# Altium PCB AccessControl_V1.0.1.PcbDoc (part 1 of 3) (continued)
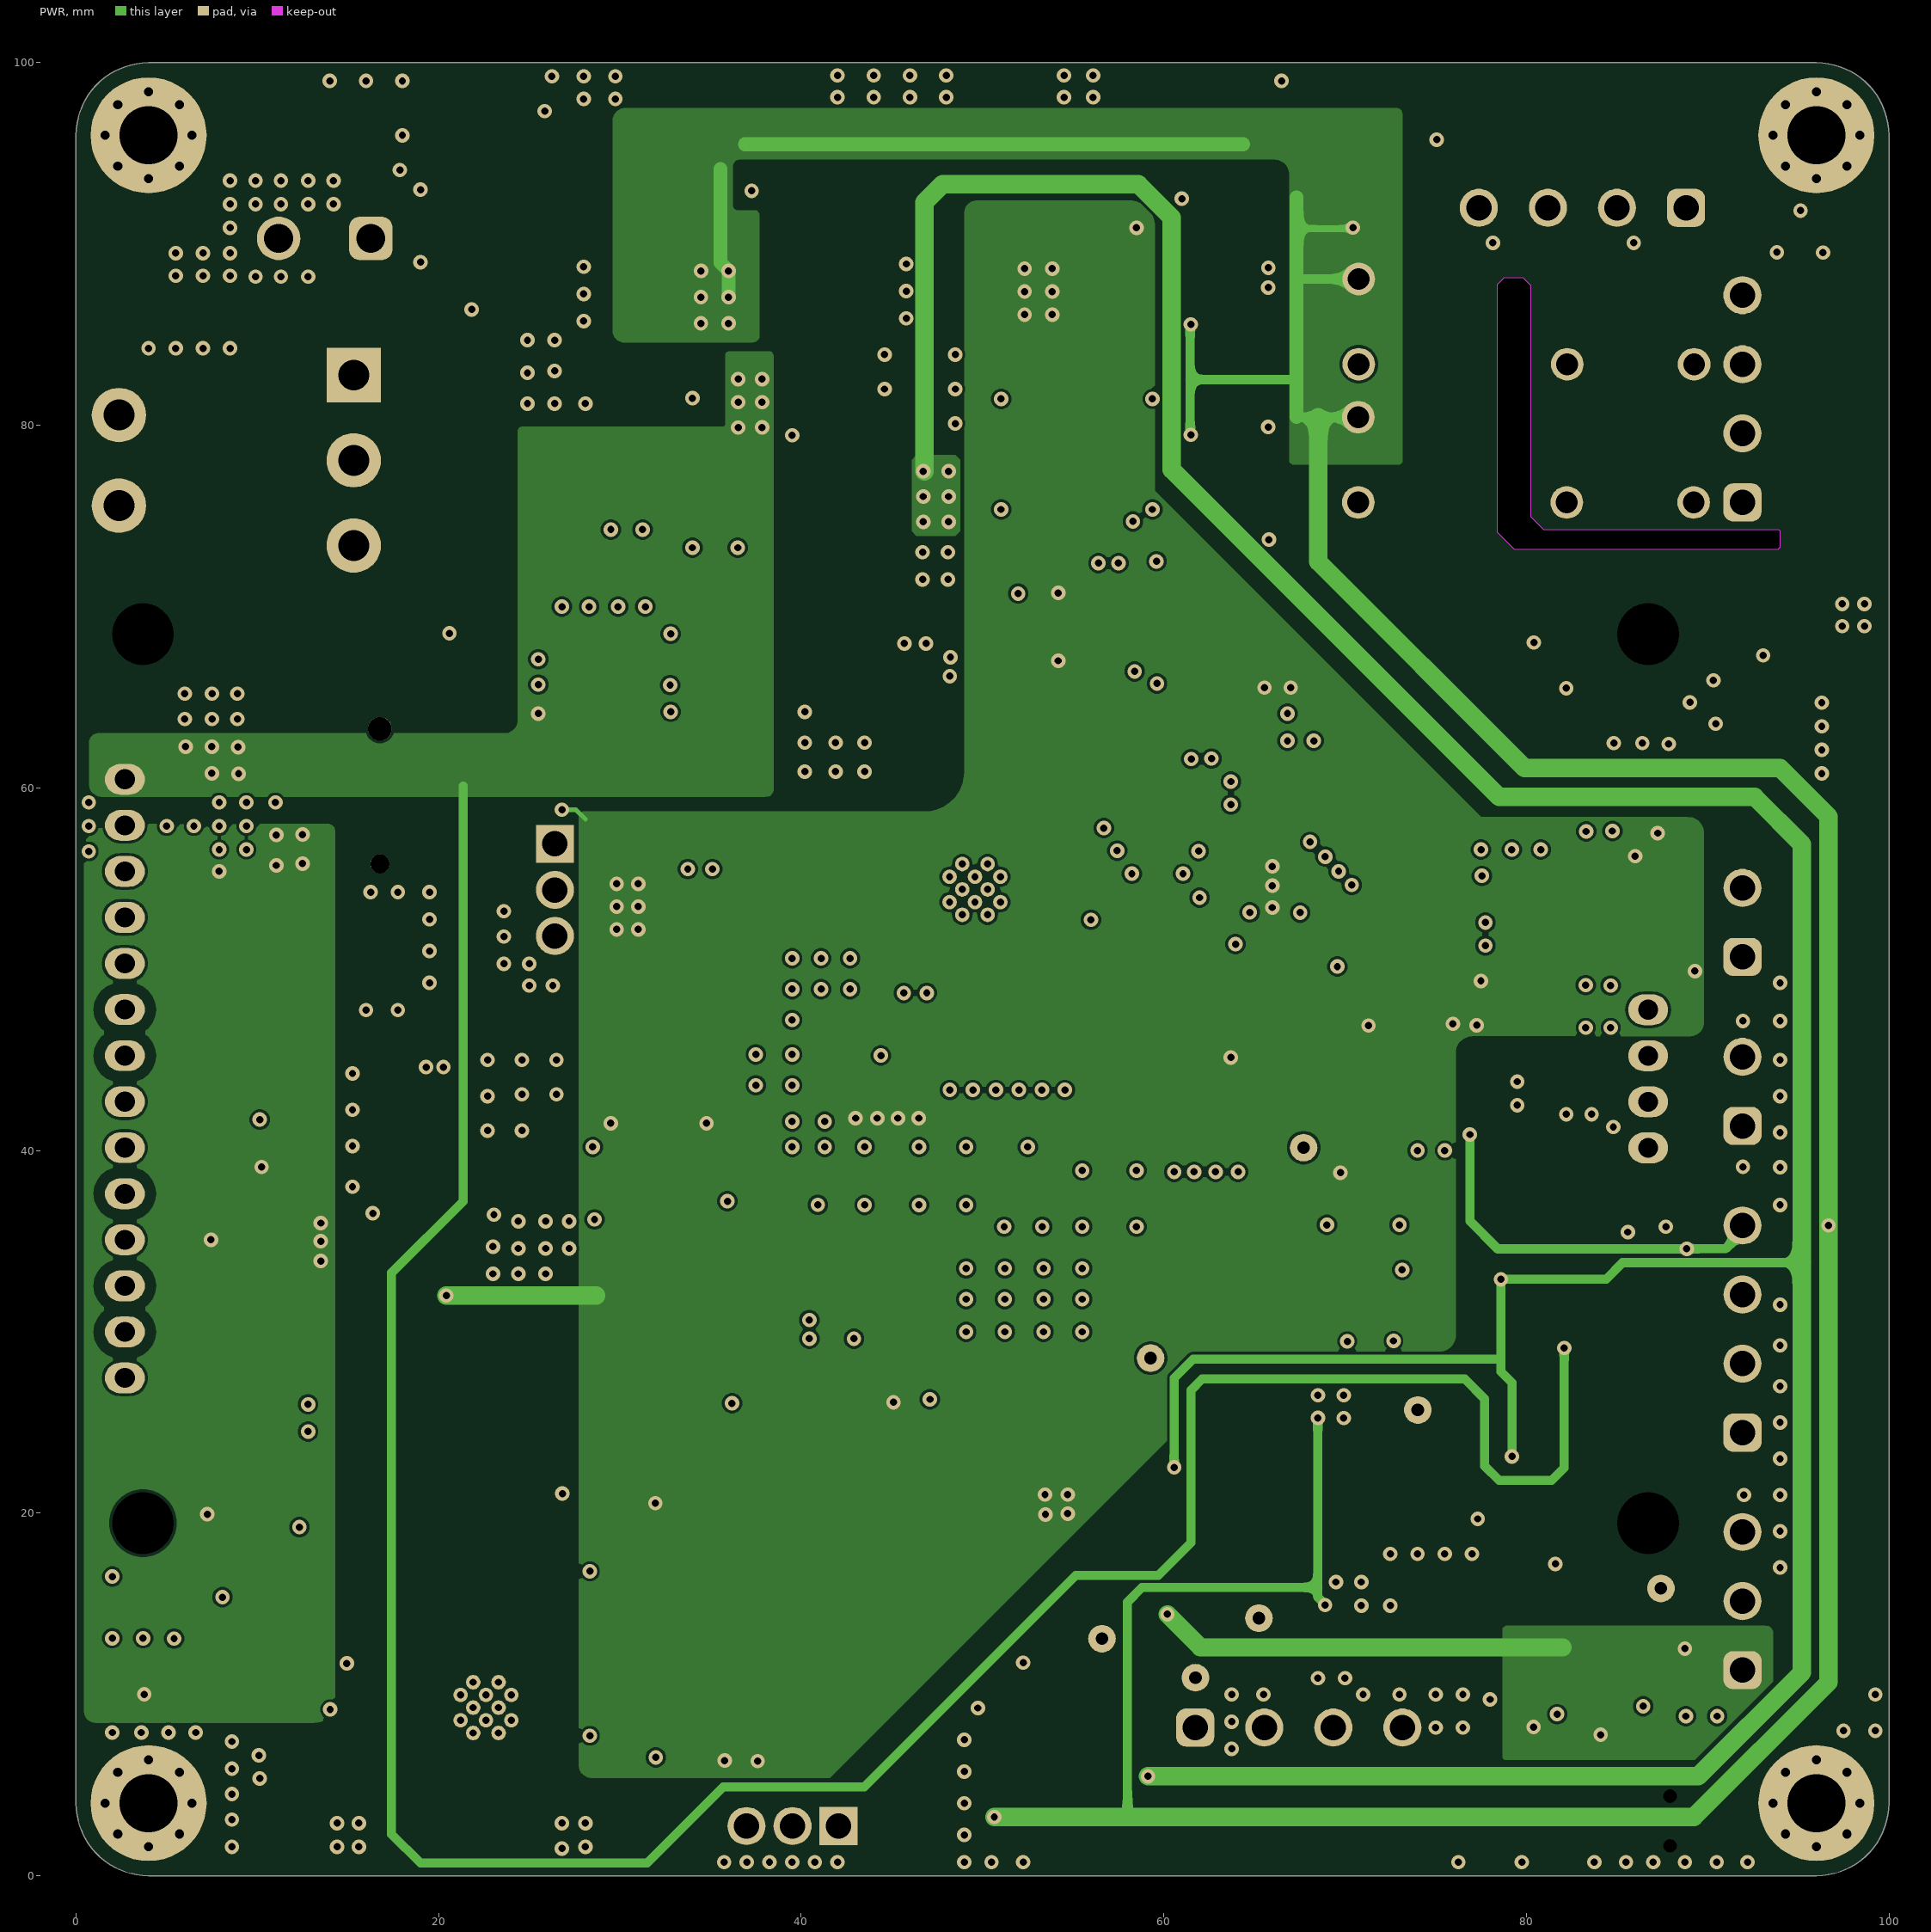
[diagram p3: PWR]
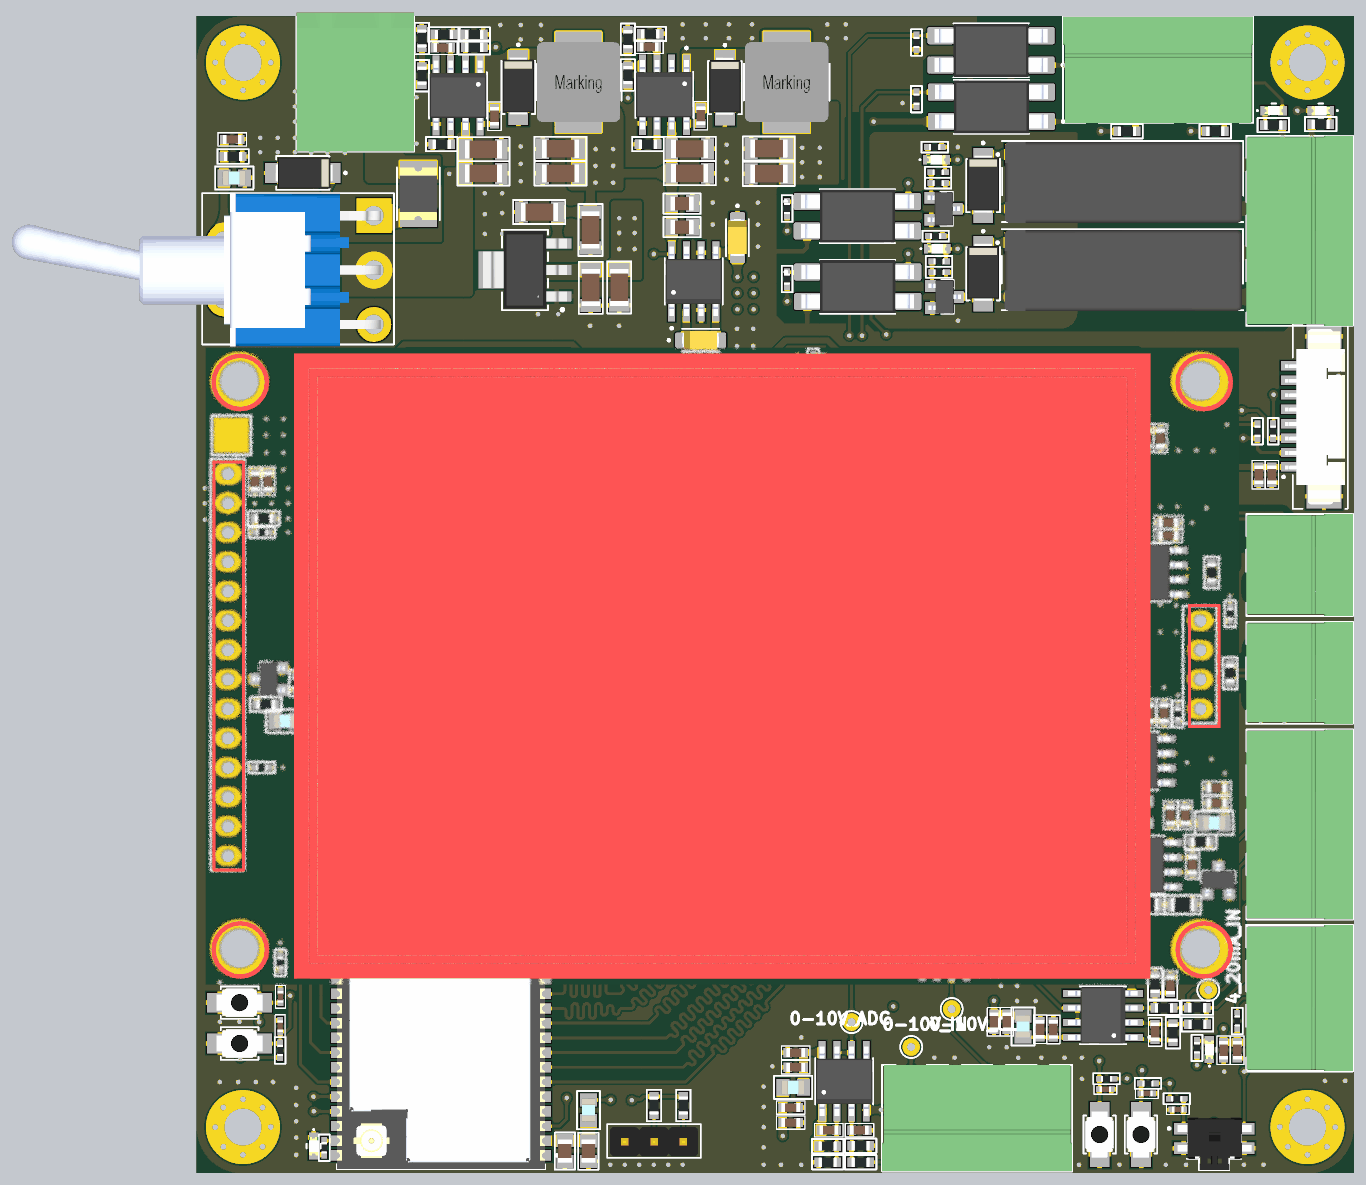
[diagram p6: 3D render of the assembled board from above, using the file's embedded part models]

## Layer stack, top to bottom
Top Solder: solder mask 0.0069, Solder Resist, Dk 3.5
Top Layer: signal copper 0.035
Dielectric 2: prepreg 0.2104, PP-006, Dk 4.1
GND: signal copper 0.0152
Dielectric 1: dielectric 1.065, FR-4, Dk 4.8
PWR: signal copper 0.0152
Dielectric 3: prepreg 0.2104, PP-006, Dk 4.1
Bottom Layer: signal copper 0.035
Bottom Solder: solder mask 0.0069, Solder Resist, Dk 3.5

## Board outline
4,0 cw(c4,4) 0,4 0,96 cw(c4,96) 4,100 96,100 cw(c96,96) 100,96 100,4 cw(c96,4) 96,0
cut-out: 78.41,74.092 78.41,87.782 78.791,88.163 79.807,88.163 80.239,87.732 80.239,74.981 80.95,74.27 93.904,74.27 93.98,74.193 93.98,73.254 93.878,73.152 79.35,73.152

## Design rules (kind name [scope] priority, off if disabled: settings)
Clearance SCK_SPI_TOUCH [InNet('NetLCD1_10')] p1: gap=0.61 ignorepadtopadclearanceinfootprint=FALSE
Clearance MISO_SPI_TOUCH [InNet('NetLCD1_13')] p2: gap=0.61 ignorepadtopadclearanceinfootprint=FALSE
Clearance MOSI_SPI_TOUCH [InNet('NetLCD1_12')] p3: gap=0.61 ignorepadtopadclearanceinfootprint=FALSE
Clearance MOSI_SPI_LCD [InNet('NetLCD1_6')] p4: gap=0.61 ignorepadtopadclearanceinfootprint=FALSE
Clearance SCK_SPI_LCD [InNet('NetLCD1_7')] p5: gap=0.61 ignorepadtopadclearanceinfootprint=FALSE
Clearance Diff_clearance [InDifferentialPairClass('All Differential Pairs') vs InPoly] p6: gap=0.6 ignorepadtopadclearanceinfootprint=FALSE
Clearance [All] p7: gap=0.152 ignorepadtopadclearanceinfootprint=FALSE
DiffPairsRouting [All] p1: maxlimit=0.254 minlimit=0.254 mostfreqgap=0.254 toplayer_minwidth=0.203 toplayer_maxwidth=0.381 toplayer_prefwidth=0.254 midlayer1_minwidth=0.381 midlayer1_maxwidth=0.381 midlayer1_prefwidth=0.381 midlayer2_minwidth=0.381 midlayer2_maxwidth=0.381 midlayer2_prefwidth=0.381 bottomlayer_minwidth=0.203 bottomlayer_maxwidth=0.381 bottomlayer_prefwidth=0.254 maxuncoupledlength=12.7
PlaneConnect [All] p1: planeconnectstyle=Direct reliefexpansion=0.508 reliefentries=4 reliefconductorwidth=0.254 reliefairgap=0.254
PolygonConnect PolygonConnect_3 [InNet('GND')] p1: thpad.connectstyle=Relief thpad.reliefconductorwidth=0.381 thpad.reliefentries=4 thpad.polygonreliefangle="90 Angle" thpad.airgapwidth=0.203 smdpad.connectstyle=Relief smdpad.reliefconductorwidth=0.381 smdpad.reliefentries=4 smdpad.polygonreliefangle="90 Angle" smdpad.airgapwidth=0.203 via.connectstyle=Direct via.reliefconductorwidth=0.381 via.reliefentries=4 via.polygonreliefangle="90 Angle" via.airgapwidth=0.203
PolygonConnect PolygonConnect_2 [All vs IsNamedPolygon('GND_L01_P000')] p2: connectstyle=Relief reliefconductorwidth=0.762 reliefentries=4 polygonreliefangle="90 Angle" airgapwidth=0.381
PolygonConnect PolygonConnect_1 [All vs IsNamedPolygon('GND_L01_P000')] p3: connectstyle=Relief reliefconductorwidth=0.254 reliefentries=4 polygonreliefangle="90 Angle" airgapwidth=0.254
PolygonConnect [All] p4: connectstyle=Direct reliefconductorwidth=0.254 reliefentries=4 polygonreliefangle="90 Angle" airgapwidth=0.254
RoutingVias [All] p1: holewidth=0.4 width=0.8 viastyle="Through Hole" minholewidth=0.4 minwidth=0.8 maxholewidth=0.4 maxwidth=0.8
SolderMaskExpansion SolderMaskExpansion_Via [IsVia] p1: expansion=0.102 istentingtop=TRUE
SolderMaskExpansion [All] p2: expansion=0.102 istentingtop=FALSE
SupplyNets "Schematic Supply Nets_8" [InNet('-12V')] p1: voltage=0.000
SupplyNets "Schematic Supply Nets_13" [InNet('3V3')] p2: voltage=0.000
SupplyNets "Schematic Supply Nets_12" [InNet('12V')] p3: voltage=0.000
SupplyNets "Schematic Supply Nets_11" [InNet('1V2')] p4: voltage=0.000
SupplyNets "Schematic Supply Nets_10" [InNet('GND')] p5: voltage=0.000
SupplyNets "Schematic Supply Nets_9" [InNet('12V_FILTER_4')] p6: voltage=0.000
SupplyNets "Schematic Supply Nets_7" [InNet('12V_FILTER_5')] p7: voltage=0.000
SupplyNets "Schematic Supply Nets_6" [InNet('12V_FILTER_1')] p8: voltage=0.000
SupplyNets "Schematic Supply Nets_5" [InNet('12V_FILTER_2')] p9: voltage=0.000
SupplyNets "Schematic Supply Nets_4" [InNet('5V')] p10: voltage=0.000
SupplyNets "Schematic Supply Nets_3" [InNet('2V8')] p11: voltage=0.000
SupplyNets "Schematic Supply Nets_2" [InNet('VCC')] p12: voltage=0.000
SupplyNets "Schematic Supply Nets_1" [InNet('12V_FILTER_3')] p13: voltage=0.000
SupplyNets "Schematic Supply Nets" [InNet('2V5')] p14: voltage=0.000
Width [All] p1: maxlimit=2.54 minlimit=0.203 preferedwidth=0.254 checkconnectedcopper=TRUE
28 further rules are at their usual default settings.

## Classes and differential pairs
component class Designator: *1 C1 C2 C3 C4 C5 C6 C7 C8 C9 C10 C11 C12 C13 C14 C15 C16 C17 C18 C19 C20 C21 C22 C23 C24 C25 C26 C27 C28 C29 D1 D2 D3 D4 D5 D6 D7 D8 F1 FB1 H1 H2 H3 H4 L1 L2 P1 R1 R2 R3 R4 R5 R6 R7 R8 R9 R10 R11 R12 R13 R14 R15 R16 SW1 TP1 TP2 TP3 TP4 TP5 TP6 TP7 TP8 U1 U2 U3 U4 U5 U6
differential pair RS485: +RS485_P -RS485_N
differential pair CAN: +CAN_P -CAN_N

## Components (designator, comment, footprint, x,y, rotation, side; value= is the part's Value field where it differs from the comment)
*1 "LOGO" BK_LOGO 63.627,96.52 r180 bottom
C1 "100nF/50V" CAP_0603 25.738,91.367 r90 top
C2 "100nF/50V" CAP_0603 43.569,91.418 r90 top
C3 "10uF/35V" CAP_1206 24.773,86.422 r180 top
C4 "100nF/50V" CAP_1206 24.773,88.505 r180 top
C5 "47uF/16V" CAP_1206 31.453,86.422 r0 top
C6 "47uF/16V" CAP_1206 31.453,88.556 r0 top
C7 "10uF/35V" CAP_1206 42.604,86.436 r180 top
C8 "100nF/50V" CAP_1206 42.604,88.544 r180 top
C9 "150pF/50V" CAP_0603 21.279,97.293 r0 top
C10 "47uF/16V" CAP_1206 49.462,88.57 r0 top
C11 "47uF/16V" CAP_1206 49.462,86.385 r0 top
C12 "150pF/50V" CAP_0603 39.099,97.358 r0 top
C13 "100nF/50V" CAP_0805 41.951,81.788 r180 top
C14 "10uF/50V" CAP_0805 41.951,83.82 r180 top
C15 "10uF/16V" TanTa_Cap_A 43.561,72.009 r0 top
C16 "10uF/6.3V" CAP_0603 31.318,41.504 r180 top
C17 "100nF/50V" CAP_0402 30.643,39.734 r90 top
C18 "100nF/50V" CAP_0402 33.082,37.008 r0 top
C19 "10uF/6.3V" CAP_0603 34.783,37.683 r270 top
C20 "10uF/6.3V" CAP_0603 36.514,41.504 r180 top
C21 "100nF/50V" CAP_0402 35.839,39.726 r90 top
C22 "100nF/50V" CAP_0402 38.296,37.008 r0 top
C23 "10uF/6.3V" CAP_0603 40.03,37.683 r270 top
C24 "10uF/35V" CAP_1206 34.036,81.534 r90 top
C25 "100nF/50V" CAP_1206 29.616,83.083 r0 top
C26 "100nF/50V" CAP_1206 36.525,76.581 r90 top
C27 "10uF/35V" CAP_1206 34.061,76.556 r90 top
C28 "10uF/16V" TanTa_Cap_A 46.736,80.864 r270 top
C29 "100nF/50V" CAP_0603 3.073,89.357 r180 top
C30 "100nF/50V" CAP_0805 31.826,1.93 r90 top
C31 "22uF/6.3V" CAP_0805 33.858,1.923 r90 top
C32 "100nF/50V" CAP_0402 7.214,12.727 r270 top
C33 "100nF/50V" CAP_0402 7.239,15.257 r270 top
C34 "100nF/50V" CAP_0805 42.24,45.339 r0 top
C35 "22uF/6.3V" CAP_0805 42.24,43.586 r0 top
C36 "100nF/50V" CAP_0402 84.8,5.525 r0 top
C37 "100nF/50V" CAP_0402 78.533,7.27 r180 top
C38 "100nF/50V" CAP_0402 82.115,6.914 r180 top
C39 "100nF/50V" CAP_0402 44.069,30.124 r270 top
C40 "100nF/50V" CAP_0402 41.58,30.124 r270 top
C41 "100nF/50V" CAP_0402 45.06,30.124 r270 top
C42 "100nF/50V" CAP_0603 5.055,59.817 r90 top
C43 "10uF/16V" CAP_0603 6.172,59.817 r90 top
C44 "10uF/16V" CAP_0603 91.796,60.377 r90 top
C45 "100nF/50V" CAP_0603 92.913,60.377 r90 top
C46 "100nF/50V" CAP_0603 83.969,55.118 r0 top
C47 "10uF/16V" CAP_0603 83.969,56.236 r0 top
C48 "2.2nF/50V" CAP_0603 76.941,34.396 r270 top
C49 "100nF/50V" CAP_0603 82.306,39.776 r270 top
C50 "10uF/16V" CAP_0603 83.609,39.776 r270 top
C51 "100nF/50V" CAP_0603 78.03,40.21 r90 top
C52 "10uF/16V" CAP_0603 79.326,40.21 r90 top
C53 "10uF/16V" CAP_0603 77.292,30.545 r270 top
C54 "100nF/50V" CAP_0603 78.588,30.545 r270 top
C55 "100nF/50V" CAP_0603 75.87,31.471 r90 top
C56 "10uF/6.3V" CAP_0603 74.413,31.471 r90 top
C57 "2.2nF/50V" CAP_0603 76.941,37.002 r90 top
C58 "470pF/50V" CAP_0603 77.318,25.07 r90 top
C59 "100nF/50V" CAP_0603 85.446,30.952 r270 top
C60 "10uF/16V" CAP_0603 84.161,30.952 r270 top
C61 "100nF/50V" CAP_0603 88.152,32.004 r0 top
C62 "10uF/16V" CAP_0603 88.152,33.299 r0 top
C63 "100nF/50V" CAP_0603 86.059,26.67 r90 top
C64 "2.2nF/50V" CAP_0603 84.161,16.277 r90 top
C65 "100nF/50V" CAP_0603 72.89,12.455 r270 top
C66 "10uF/16V" CAP_0603 74.033,12.44 r270 top
C67 "100nF/50V" CAP_0603 70.021,13.1 r90 top
C68 "10uF/16V" CAP_0603 68.903,13.1 r90 top
C69 "2.2nF/50V" CAP_0603 82.825,12.225 r270 top
C70 "2.2nF/50V" CAP_0603 57.28,3.736 r0 top
C71 "100nF/50V" CAP_0603 51.763,10.438 r0 top
C72 "10uF/16V" CAP_0603 51.763,9.168 r0 top
C73 "100nF/50V" CAP_0603 51.329,5.688 r180 top
C74 "10uF/16V" CAP_0603 51.329,4.393 r180 top
C75 "2.2nF/50V" CAP_0603 54.638,3.736 r180 top
C76 "2.2nF/50V" CAP_0603 63.295,24.336 r180 top
C77 "100nF/50V" CAP_0603 68.756,17.605 r180 top
C78 "10uF/16V" CAP_0603 68.756,19.002 r180 top
C79 "100nF/50V" CAP_0603 69.252,22.584 r0 top
C80 "10uF/16V" CAP_0603 69.252,23.955 r0 top
C81 "2.2nF/50V" CAP_0603 65.926,24.336 r0 top
C82 "100nF/50V" CAP_0603 73.355,49.998 r90 top
C83 "10uF/16V" CAP_0603 74.473,49.998 r90 top
C84 "100nF/50V" CAP_0603 67.973,33.78 r90 top
C85 "10uF/16V" CAP_0603 69.268,33.78 r90 top
C86 "10uF/16V" CAP_0603 88.75,10.65 r90 top
C87 "100nF/50V" CAP_0603 89.937,10.644 r90 top
C88 "100nF/50V" CAP_0603 82.118,63.525 r90 top
C89 "10uF/16V" CAP_0603 83.287,63.525 r90 top
C90 "100nF/50V" CAP_0603 69.367,64.806 r90 top
C91 "10uF/16V" CAP_0603 68.25,64.795 r90 top
C92 "10uF/16V" CAP_0603 19.747,33.35 r0 top
C93 "100nF/50V" CAP_0603 19.747,34.646 r0 top
C94 "10uF/16V" CAP_0603 31.013,50.343 r90 top
C95 "100nF/50V" CAP_0603 29.82,50.368 r90 top
D1 "SS54" D_SMA 27.796,93.853 r270 top
D2 "SS54" D_SMA 45.652,93.828 r270 top
D3 "SS54" D_SMA 9.169,86.462 r180 top
D4 "-12V" LED_0603Y 30.7,65.675 r180 top
D5 "VCC" LED_0603Y 30.7,68.525 r180 top
D6 "12V" LED_0603Y 30.7,67.05 r180 top
D7 "5V" LED_0603Y 30.7,64.15 r180 top
D8 "3V3" LED_0603Y 30.7,62.75 r180 top
D9 "BLE_STATUS" LED_0603Y 10.109,2.364 r270 top
D10 "WF_STATUS" LED_0603Y 87.525,10.7 r90 top
D11 "BZV55-C3V3" SOD-80 69.494,45.11 r180 top
D12 "BZV55-C3V3" SOD-80 69.494,42.799 r0 top
D13 "BZV55-C3V3" SOD-80 63.525,45.11 r180 top
D14 "BZV55-C3V3" SOD-80 63.525,42.799 r0 top
D15 "BZV55-C3V3" SOD-80 75.463,45.11 r180 top
D16 "BZV55-C3V3" SOD-80 75.463,42.799 r0 top
D17 "SS54" D_SMA 67.97,77.749 r270 top
D18 "Relay_1" LED_0603Y 64.008,79.908 r0 top
D19 "DIN_1" LED_0603Y 97.155,91.846 r180 top
D20 "DIN_2" LED_0603Y 93.093,91.85 r0 top
D21 "SS54" D_SMA 67.97,85.369 r270 top
D22 "Relay_2" LED_0603Y 63.931,87.605 r0 top
F1 "Fuse_0.75A" FUSER_MF-MSMF075/24-2 19.152,84.658 r270 top
FB1 "120Ohm" Ferrite_Bead_0805 3.251,86.03 r0 top
FB2 "120Ohm" Ferrite_Bead_0805 33.858,5.461 r90 top
FB3 "120Ohm" Ferrite_Bead_0805 45.469,43.586 r0 top
FB4 "120Ohm" Ferrite_Bead_0805 7.645,39.091 r180 top
FB5 "120Ohm" Ferrite_Bead_0805 80.753,39.993 r90 top
FB6 "120Ohm" Ferrite_Bead_0805 87.935,30.277 r0 top
FB7 "120Ohm" Ferrite_Bead_0805 71.418,12.694 r90 top
FB8 "120Ohm" Ferrite_Bead_0805 51.546,7.441 r180 top
FB9 "120Ohm" Ferrite_Bead_0805 68.973,20.806 r0 top
FB10 "120Ohm" Ferrite_Bead_0805 75.921,49.781 r270 top
FB11 "120Ohm" Ferrite_Bead_0805 66.626,37.362 r90 top
H1 "Mounting Hole without connection" MountingHole_3.2mm_M3_Pad_Via 4,96 r0 top locked
H2 "Mounting Hole without connection" MountingHole_3.2mm_M3_Pad_Via 4,4 r0 top locked
H3 "Mounting Hole without connection" MountingHole_3.2mm_M3_Pad_Via 96,96 r0 top locked
H4 "Mounting Hole without connection" MountingHole_3.2mm_M3_Pad_Via 96,4 r0 top locked
J1 "2.54mm_2P" Header_2.54mm_3P 42.062,2.743 r180 top
J2 "2.54mm_2P" Header_2.54mm_3P 26.416,56.915 r270 bottom
J3 "Camera" FPC_0.5mm_24P 45.84,26.06 r0 top locked
J4 "FingerPrint" MX_1.25mm_8P 95.961,65.432 r90 top
J5 "3.81mm_3P" Terminal_Block_3.81mm_3P 95.325,15.15 r90 top
J6 "CR1220" Battery_Holder_CR1220 16.764,59.538 r180 top
J7 "Jumper_Open" SolderBridgeOpen 23.749,48.209 r180 bottom
J8 "Jumper_Open" SolderBridgeOpen 23.749,46.609 r180 bottom
K1 "HF46F 12-HS1" RELAY_HF46F_005-HS1 79.93,78.099 r0 top
K2 "HF46F 12-HS1" RELAY_HF46F_005-HS1 79.956,85.719 r0 top
L1 "10uH, 4A" Inductor_0630 33.003,94.31 r270 top
L2 "10uH, 4A" Inductor_0630 50.986,94.31 r270 top
LCD1 "ILI9341" LCD_TFT_ILI9341_3.2 44.958,43.79 r270 top locked
P1 "5.08mm_2P" Terminal_Block_5.08mm_2P 13.716,94.31 r180 top
P2 "3.81mm_2P" Terminal_Block_3.81mm_2P 95.325,52.583 r90 top
P3 "3.81mm_4P" Terminal_Block_3.81mm_4P 95.325,30.151 r90 top
P4 "3.81mm_4P" Terminal_Block_3.81mm_4P 67.45,4.775 r0 top
P5 "3.81mm_4P" Terminal_Block_3.81mm_4P 83.095,95.4 r180 top
P6 "3.81mm_4P" Terminal_Block_3.81mm_4P 95.323,81.464 r90 top
P7 "3.81mm_2P" Terminal_Block_3.81mm_2P 95.325,43.262 r90 top
Q1 "SI2308" SOT-23 6.248,42.723 r90 top
Q2 "MMBT2222A" SOT-23 88.298,25.331 r0 top
Q3 "MMBT2222A" SOT-23 64.618,75.749 r270 top
Q4 "MMBT2222A" SOT-23 64.541,83.369 r270 top
R1 "180K/1%/1_10W" Resistor_0603 19.464,94.867 r270 top
R2 "75K/1%/1_10W" Resistor_0603 37.27,94.92 r270 top
R3 "100K/1%/1_10W" Resistor_0603 23.986,97.319 r0 top
R4 "13K/1%/1_10W" Resistor_0603 19.464,98.081 r270 top
R5 "24K/5%/1_10W" Resistor_0603 37.27,98.019 r270 top
R6 "10.2K/1%/1_10W" Resistor_0603 23.986,98.436 r180 top
R7 "100K/1%/1_10W" Resistor_0603 21.179,88.951 r0 top
R8 "100K/1%/1_10W" Resistor_0603 21.369,98.436 r180 top
R9 "100K/1%/1_10W" Resistor_0603 38.997,88.951 r0 top
R10 "100K/1%/1_10W" Resistor_0603 39.2,98.476 r180 top
R11 "4.7K/1%/1_10W" Resistor_0603 27.55,68.525 r180 top
R12 "4.7K/1%/1_10W" Resistor_0603 27.55,67.05 r180 top
R13 "4.7K/1%/1_10W" Resistor_0603 27.55,64.15 r180 top
R14 "4.7K/1%/1_10W" Resistor_0603 27.55,62.75 r180 top
R15 "4.7K/1%/1_10W" Resistor_0603 27.55,65.675 r180 top
R16 "10K/1%/1_10W" Resistor_0603 3.15,87.884 r180 top
R17 "10K/1%/1_10W" Resistor_0603 42.062,5.867 r90 top
R18 "10K/1%/1_10W" Resistor_0603 39.522,5.867 r90 top
R19 "10K/1%/1_10W" Resistor_0603 12.8,22.095 r270 top
R20 "10K/1%/1_10W" Resistor_0603 5.8,56.6 r180 top
R21 "10K/1%/1_16W" RESISTOR_0402 7.214,10.627 r270 top
R22 "10K/1%/1_16W" RESISTOR_0402 7.239,18.212 r90 top
R23 "1K/1%/1_16W" RESISTOR_0402 11.024,2.214 r270 top
R24 "10K/1%/1_10W" Resistor_0603 61.747,49.414 r90 top
R25 "10K/1%/1_16W" RESISTOR_0402 84.7,6.453 r180 top
R26 "10K/1%/1_16W" RESISTOR_0402 78.633,8.184 r0 top
R27 "10K/1%/1_16W" RESISTOR_0402 82.215,7.778 r0 top
R28 "1K/1%/1_16W" RESISTOR_0402 86.45,10.85 r90 top
R29 "10K/1%/1_10W" Resistor_0603 30.48,57.861 r0 top
R30 "10K/1%/1_10W" Resistor_0603 30.493,56.312 r0 top
R31 "4.7K/1%/1_16W" RESISTOR_0402 31.953,22.479 r270 top
R32 "4.7K/1%/1_16W" RESISTOR_0402 31.953,18.618 r90 top
R33 "10K/1%/1_16W" RESISTOR_0402 5.613,35.077 r0 top
R34 "10K/1%/1_16W" RESISTOR_0402 5.639,55.397 r0 top
R35 "22R/1%/1_16W" RESISTOR_0402 15.394,21.92 r90 top
R36 "22R/1%/1_16W" RESISTOR_0402 14.124,21.92 r90 top
R37 "10K/1%/1_16W" RESISTOR_0402 89.325,48.362 r90 top
R38 "22R/1%/1_16W" RESISTOR_0402 84.8,39.7 r270 top
R39 "1K/1%/1_10W" Resistor_0603 5.969,40.538 r0 top
R40 "10K/1%/1_16W" RESISTOR_0402 8.484,42.367 r270 top
R41 "10K/1%/1_16W" RESISTOR_0402 91.676,64.139 r90 top
R42 "10K/1%/1_16W" RESISTOR_0402 93.032,64.139 r90 top
R43 "22R/1%/1_16W" RESISTOR_0402 52.01,44.831 r270 top
R44 "22R/1%/1_16W" RESISTOR_0402 50.74,44.831 r270 top
R45 "10K/1%/1_10W" Resistor_0603 79.815,48.743 r180 top
R46 "22R/1%/1_16W" RESISTOR_0402 54.55,44.831 r270 top
R47 "22R/1%/1_16W" RESISTOR_0402 61.951,60.35 r0 top
R48 "120R/1%/1_10W" Resistor_0603 87.725,51.925 r270 top
R49 "22R/1%/1_16W" RESISTOR_0402 61.951,59.08 r0 top
R50 "22R/1%/1_16W" RESISTOR_0402 53.28,44.831 r270 top